# Altium PCB PowerSupply-Motherboard.PcbDoc (part 2 of 2)
Units mm, origin at the board's own origin, x right, y up, seen from the top; angles counter-clockwise.
Board outline 100 x 80 mm, 4 copper layers (L1, L2, L3, L4), stack 1.641 mm thick; 152 components, 85 nets, 459 pads, 202 vias.
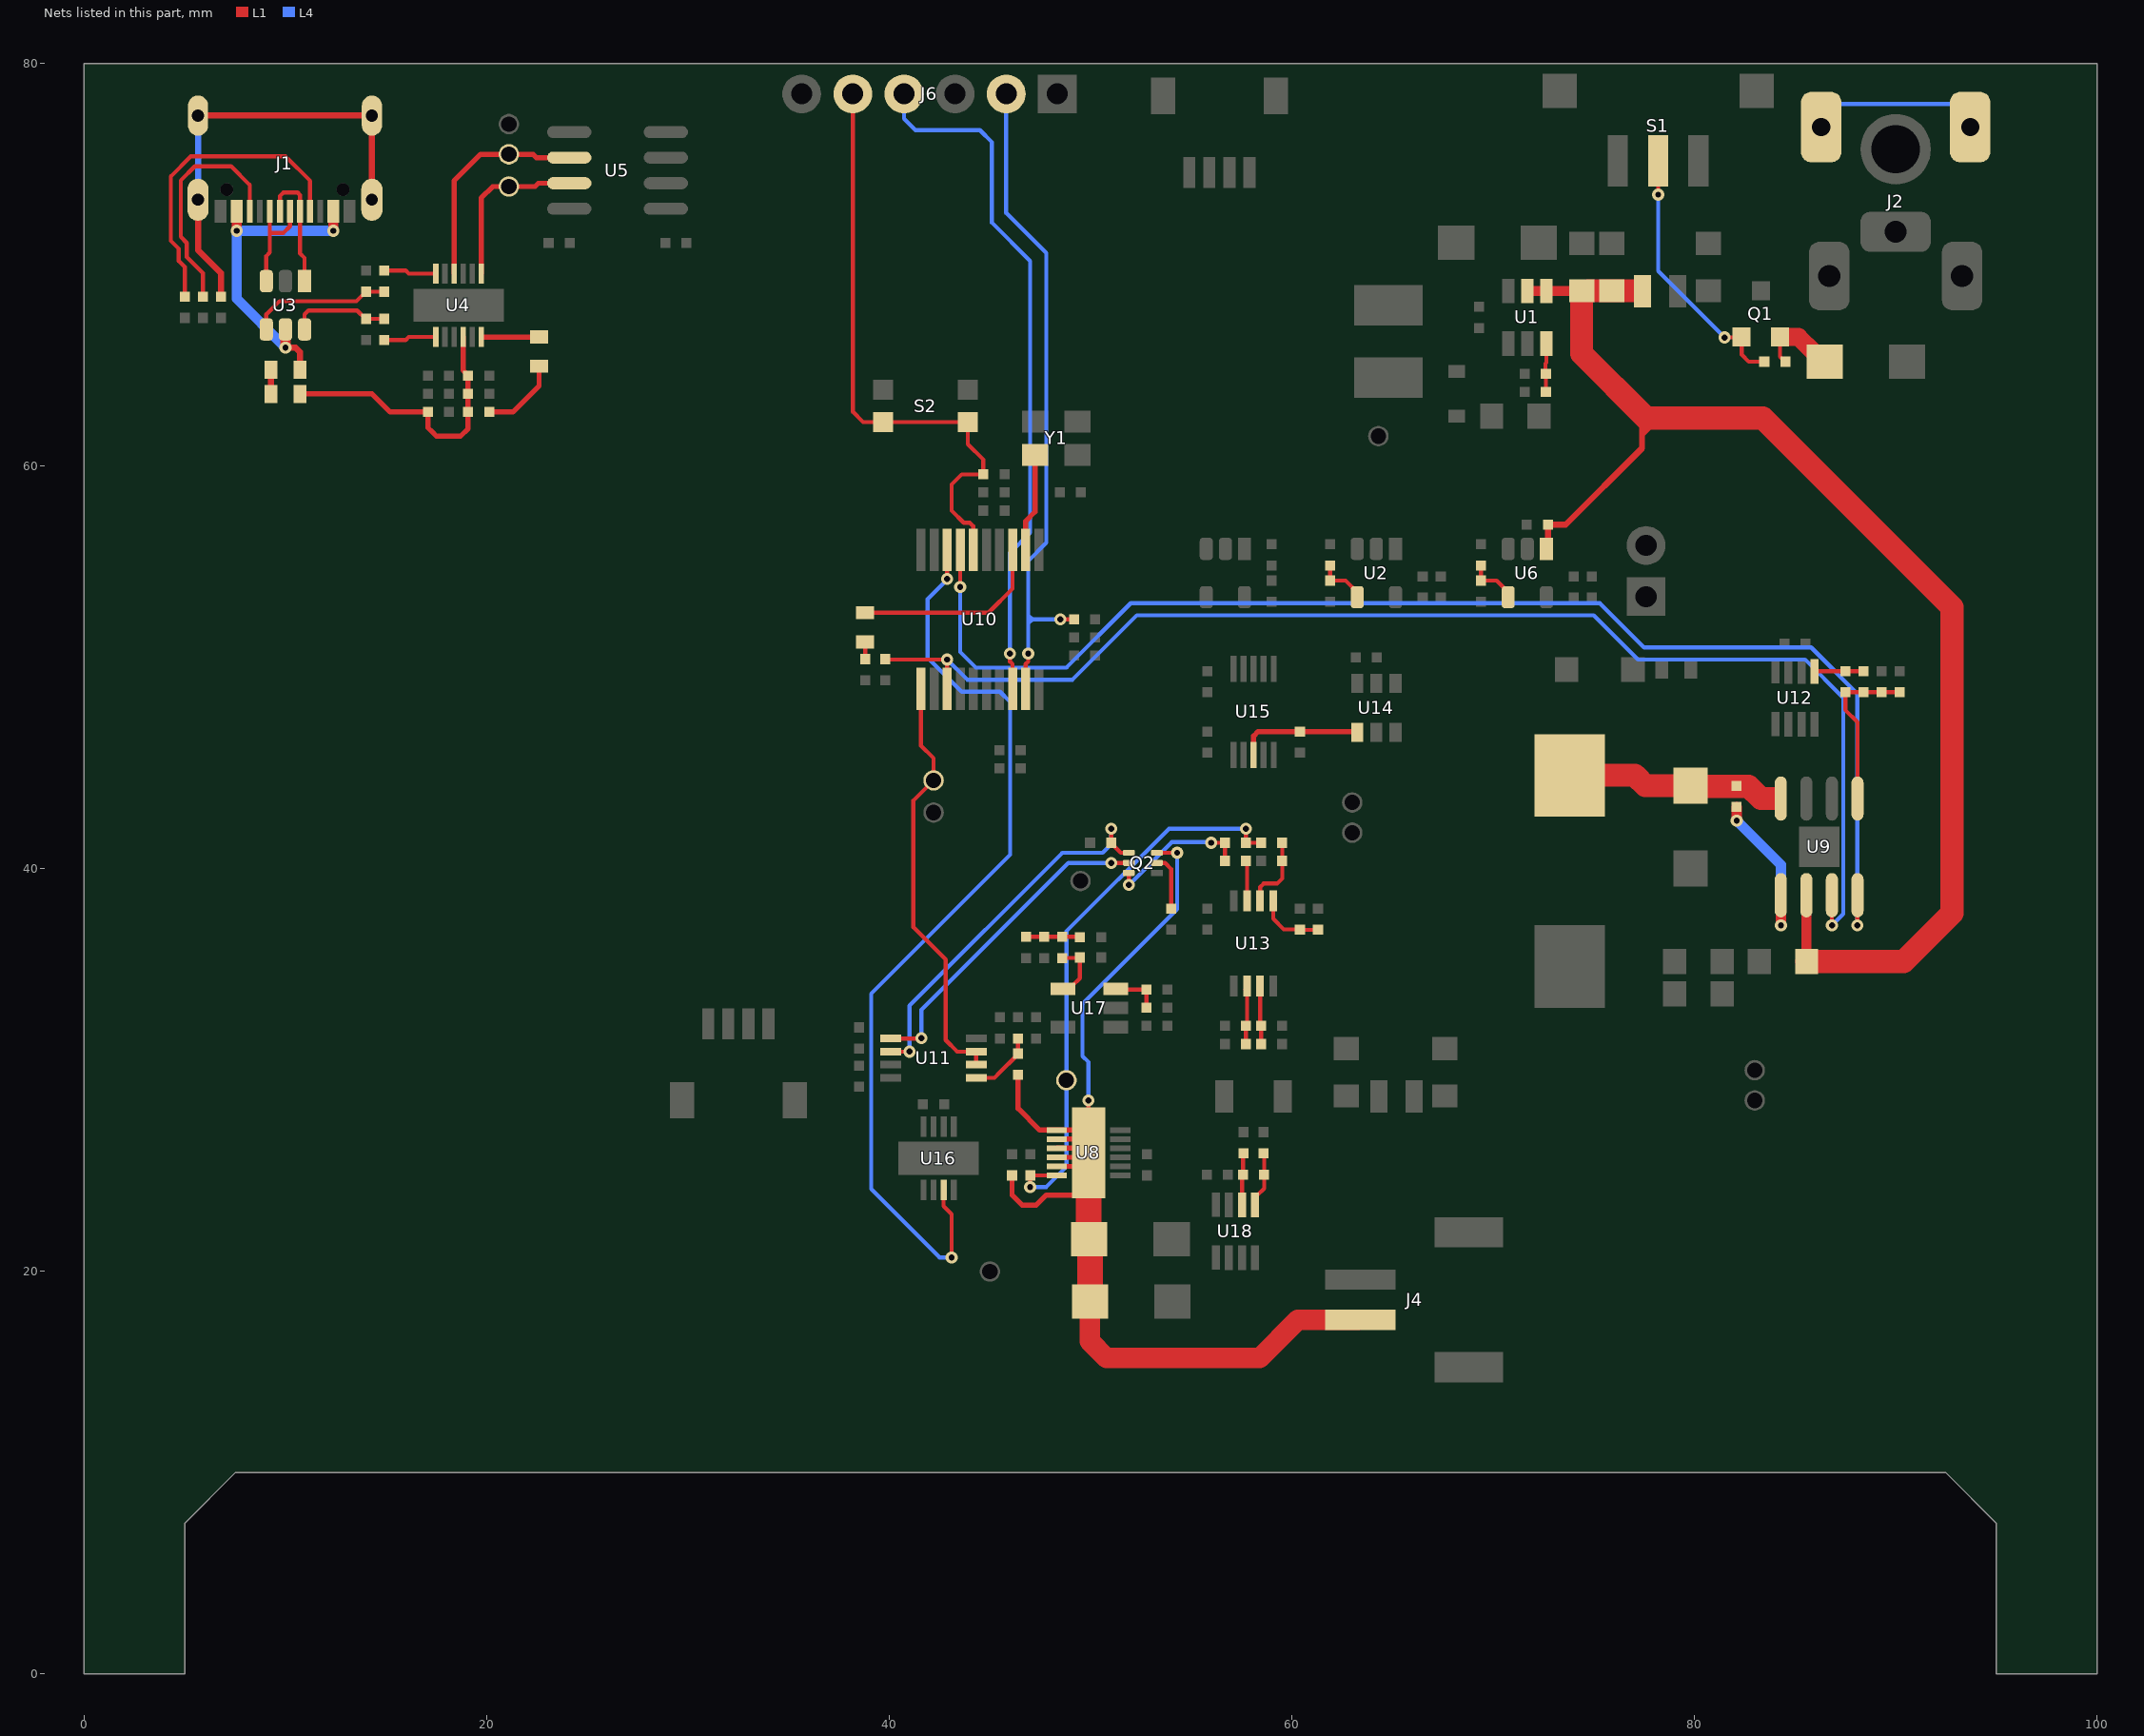
[diagram p4: the nets of this part, all layers, seen from the top]

## Via types
v1: diameter 0.6, hole 0.3, L1 to L4, tented both sides, 202 vias

## Nets (pads, with @x,y where several pads share a name; then routed paths per layer and width w, separated by ;. In a path a pad name is that pad's centre, name@x,y a point inside that pad or via, vN(x,y) a via of type N, cw(c..) or ccw(c..) an arc to the next point about the centre after c; other vN are vias at no path point) (continued)
NetC23_2: C23.2 D6.1 D7.2 J4.1 Q2.3 R19.2 U8.1 U8.2 U8.3 U8.4 U8.5 U8.13 | length 55
  L1 w0.203: U8.13@49.9,27.5 v1(49.9,28.5) ; Q2.3@53.3,40.8 v1(54.3,40.8)
  L1 w0.254: C23.2@46.1,24.775 46.1,23.8 46.6,23.3 47.3,23.3 47.8,23.8 49.2,23.8 U8.13@49.4,24 ; R19.2@46.4,29.775 46.4,28.1 47.475,27.025 U8.1@48.325,27.025 49.675,27.025 U8.13@49.7,27 ; U8.5@48.325,25.225 49.325,25.225 U8.13@49.4,25.3 ; U8.4@48.325,25.675 U8.13@49.475,25.675 ; U8.3@48.325,26.125 U8.13@49.375,26.125 ; U8.2@48.325,26.575 49.375,26.575 U8.13@49.4,26.6
  L1 w1.016: D7.2@49.968,18.5 49.968,16.532 50.8,15.7 58.4,15.7 60.3,17.6 J4.1@63.3,17.6
  L1 w1.27: D6.1@49.9,21.5 U8.13@49.9,25.9 ; D7.2@49.968,18.5 49.968,21.668 D6.1@50,21.7
  L4 w0.203: v1(49.9,28.5) 49.9,30.4 49.6,30.7 49.6,33.3 54.3,38 v1(54.3,40.8)
NetC24_1: C24.1 D8.2 L4.1 U9.8 | length 10.4
  L1 w0.508: L4.1@73.35,44.65 L4.1@73.4,44.6
  L1 w1.143: L4.1@73.8,44.65 77.05,44.65 ; 77.1,44.6 77.568,44.132 D8.2@79.8,44.132 ; D8.2@80,44.1 82.7,44.1 83.304,43.496 83.9,43.496
NetC24_2: C24.2 U9.1 | length 8
  L1 w0.508: v1(82.1,42.4) C24.2@82.1,43.075 ; v1(84.3,37.2) U9.1@84.3,38.4
  L4 w0.508: v1(82.1,42.4) 84.3,40.2 v1(84.3,37.2)
NetC32_2: C32.2 R24.2 R29.2 TP2.1 U8.6 | length 28.3
  L1 w0.203: v1(47,24.2) C32.2@47,24.7 ; C32.2@47,24.8 47.025,24.775 U8.6@48.325,24.775 ; R29.2@57.7,41.3 57.725,41.325 v1(57.725,42) ; v1@57.7,42.1 v1@57.725,42.075 ; R29.2@57.725,41.3 R24.2@58.475,41.3
  L4 w0.203: v1(47,24.2) 47.8,24.2 48.8,25.2 TP2.1@48.8,29.5 48.8,36.9 53.9,42 v1(57.725,42)
NetC34_2: C34.2 R33.2 U13.5 | length 3.3
  L1 w0.203: U13.5@59.075,38.42 59.075,37.525 59.6,37 60.4,37 60.425,36.975 R33.2@61.3,36.975
NetC40_2: C40.2 R40.2 U17.3 | length 2.1
  L1 w0.203: U17.3@51.6,34.1 51.7,34 C40.2@52.775,34 ; R40.2@52.775,33.1 52.775,33.975 C40.2@52.8,34
NetC42_1: C42.1 R47.2 U18.2 | length 2.6
  L1 w0.203: U18.2@57.525,23.31 57.525,24.725 C42.1@57.6,24.8 ; C42.1@57.575,24.8 57.575,25.875 R47.2@57.6,25.9
NetC42_2: C42.2 R46.2 U18.1 | length 2.1
  L1 w0.203: U18.1@58.3,23.8 58.625,24.125 C42.2@58.625,24.8 58.625,25.775 R46.2@58.6,25.8
NetC46_2: C46.2 R48.2 R49.1 R50.2 | length 2.7
  L1 w0.203: R48.2@46.8,36.625 47.625,36.625 R50.2@47.7,36.7 ; R50.2@47.7,36.625 48.575,36.625 R49.1@48.6,36.6 ; R49.1@48.6,36.625 49.375,36.625 C46.2@49.4,36.6
NetC47_2: C47.2 R49.2 U17.4 | length 2.4
  L1 w0.203: R49.2@48.6,35.575 49.375,35.575 C47.2@49.4,35.6 ; U17.4@49.1,34.2 49.475,34.575 C47.2@49.475,35.6
NetD2_1: D2.1 R1.1 | length 4.1
  L1 w0.254: R1.1@20,62.7 R1.1@20.125,62.7 21.3,62.7 22.6,64 D2.1@22.6,64.975
NetD2_2: D2.2 U4.6 | length 2.7
  L1 w0.254: U4.6@19.725,66.425 22.325,66.425 D2.2@22.4,66.5
NetD5_2: D5.2 Q1.3 R15.2 | length 3.3
  L1 w0.203: Q1.3@84.25,66.425 84.25,65.45 R15.2@84.5,65.2
  L1 w0.889: Q1.3@84.25,66.425 85.175,66.425 D5.2@85.9,65.7
NetD9_1: D9.1 R28.1 | length 0.9
  L1 w0.203: R28.1@38.8,50.425 D9.1@38.8,51.275 D9.1@38.8,51.3
NetD9_2: D9.2 U10.3 | length 9.7
  L1 w0.203: D9.2@38.8,52.725 44.925,52.725 46.125,53.925 U10.3@46.125,55.85
NetF1_2: F1.2 FB1.1 | length 1
  L1 w0.305: F1.2@9.275,64.8 9.275,63.825 FB1.1@9.3,63.8
NetJ1_1: J1.1 J1.2 J1.3 J1.4 R12.2 | length 22.9
  L1 w0.305: J1.4@5.655,73.242 5.655,70.745 6.8,69.6 R12.2@6.8,68.425 ; J1.3@5.655,77.422 14.222,77.422 J1.2@14.295,77.495 ; J1.1@14.295,73.242 J1.2@14.295,77.422 J1.2@14.295,77.495 ; J1.2@14.4,77.6 J1.2@14.295,77.495
  L4 w0.305: J1.4@5.655,73.242 5.655,77.355 J1.3@5.7,77.4 ; J1.2@14.178,77.422 J1.2@14.295,77.305 ; J1.2@14.3,77.3 J1.2@14.295,77.305 ; J1.2@14.3,77.5 14.295,77.495 J1.2@14.295,77.422 J1.2@14.295,77.305
NetJ1_A5: J1.A5 R8.2 | length 15.6
  L1 w0.203: R8.2@5,68.425 5,69.9 4.7,70.2 4.7,70.8 4.3,71.2 4.3,74.4 5.3,75.4 10,75.4 11.225,74.175 J1.A5@11.225,72.667
NetJ1_A6: J1.A6 J1.B6 U3.3 | length 5.2
  L1 w0.203: U3.3@9.05,69.2 9.05,70.45 9.2,70.6 ; J1.B6@9.2,72.5 9.225,72.475 9.225,71.6 ; 9.225,70.625 9.225,71.6 ; J1.A6@10.225,72.667 10.225,71.925 9.9,71.6 9.225,71.6
NetJ1_A7: J1.A7 J1.B7 U3.1 | length 6.3
  L1 w0.203: J1.A7@9.725,72.667 9.725,73.425 9.9,73.6 10.6,73.6 10.725,73.475 J1.B7@10.725,72.667 10.725,70.575 10.8,70.5 10.95,70.35 U3.1@10.95,69.2
NetJ1_B5: J1.B5 R7.2 | length 11.6
  L1 w0.203: R7.2@5.9,68.425 5.9,69.6 5.1,70.4 5.1,71.1 4.8,71.4 4.8,74.2 5.5,74.9 7.3,74.9 8.225,73.975 J1.B5@8.225,72.667
NetJ2_4: J2.4 J2.5 | length 7.6
  L4 w0.203: J2.4@86.7,78 93.6,78 J2.5@94.1,77.5
NetQ1_1: Q1.1 R15.1 S1.2 | length 12.8
  L1 w0.203: v1@78.2,73.6 S1.2@78.2,75.175 ; v1(81.5,66.4) Q1.1@82.1,66.4 ; Q1.1@82.35,66.425 82.35,65.55 82.7,65.2 R15.1@83.475,65.2 R15.1@83.5,65.2
  L4 w0.203: v1(78.2,73.5) 78.2,69.7 v1(81.5,66.4)
NetQ2_2: Q2.2 R36.2 | length 2.8
  L1 w0.203: Q2.2@53.3,40.3 53.7,40.3 54,40 R36.2@54,38.025
NetQ2_4: Q2.4 R30.2 U11.2 | length 19.1
  L1 w0.203: U11.2@40.08,30.925 40.975,30.925 v1@41,30.9 ; v1@51,42 51.025,41.975 R30.2@51.025,41.3 R30.2@51.1,41.3 ; R30.2@51.1,41.2 51.5,40.8 Q2.4@51.9,40.8
  L4 w0.203: v1(41,30.925) 41,33.2 48.6,40.8 50.6,40.8 51.025,41.225 v1(51.025,42)
NetQ2_5: Q2.5 U11.1 | length 16.2
  L1 w0.203: U11.1@40.08,31.575 41.575,31.575 v1(41.6,31.6) ; v1@51.1,40.3 Q2.5@51.9,40.3
  L4 w0.203: v1(41.6,31.6) 41.6,33 48.9,40.3 v1(51.025,40.3)
NetQ2_6: Q2.6 R29.1 R32.2 | length 7.3
  L1 w0.203: v1(51.9,39.2) Q2.6@51.9,39.8 ; v1@55.9,41.3 v1(56,41.3) R29.1@56.675,41.3 ; R32.2@56.675,40.4 56.675,41.275 R29.1@56.7,41.3
  L4 w0.203: v1(51.9,39.2) 54.029,41.329 55.971,41.329 v1(56,41.3)
NetR2_1: R2.1 R4.2 U2.4 | length 2.4
  L1 w0.203: R2.1@61.9,54.3 R2.1@61.9,54.325 ; R4.2@61.9,55.075 R2.1@61.9,54.325 ; U2.4@63.3,53.7 62.675,54.325 R2.1@61.9,54.325
NetR3_1: R3.1 R6.2 U1.3 | length 2.4
  L1 w0.203: R3.1@72.6,63.7 72.625,63.725 R6.2@72.625,64.6 ; R6.2@72.6,64.6 72.6,65.1 72.65,65.15 U1.3@72.65,66.09
NetR5_2: R5.2 U4.12 | length 2.6
  L1 w0.203: R5.2@14.9,69.725 15.975,69.725 16.125,69.575 U4.12@17.475,69.575
NetR9_2: R9.2 U4.1 | length 2.6
  L1 w0.203: R9.2@14.9,66.275 15.975,66.275 16.125,66.425 U4.1@17.475,66.425
NetR13_1: R13.1 R14.2 U6.4 | length 2.5
  L1 w0.203: R14.2@69.3,55.1 69.4,55 R13.1@69.4,54.325 70.175,54.325 U6.4@70.8,53.7
NetR19_1: R19.1 R22.2 U11.5 | length 3.2
  L1 w0.203: U11.5@44.32,29.625 45.225,29.625 45.5,29.9 R19.1@46.3,30.7 ; R19.1@46.4,30.825 R22.2@46.4,31.575 R22.2@46.4,31.6
NetR21_1: R21.1 R25.2 R26.2 R27.2 U9.5 | length 8
  L1 w0.203: R27.2@87.5,48.8 R27.2@87.5,48.775 87.5,47.9 88.105,47.295 U9.5@88.105,43.496 ; R27.2@87.6,48.8 87.625,48.775 R26.2@88.4,48.775 ; R26.2@88.4,48.8 88.425,48.775 R25.2@89.3,48.775 ; R25.2@89.425,48.775 R21.1@90.2,48.775
NetR23_2: R23.2 R24.1 U13.6 | length 3.7
  L1 w0.203: U13.6@58.425,38.42 58.425,39.097 58.6,39.271 59.271,39.271 59.525,39.525 R23.2@59.525,40.4 59.525,41.275 R24.1@59.5,41.3
NetR26_1: R26.1 R27.1 U12.1 | length 2.4
  L1 w0.203: U12.1@86,49.8 86.025,49.825 R27.1@87.5,49.825 ; R27.1@87.5,49.8 87.525,49.825 R26.1@88.4,49.825
NetR32_1: R32.1 U13.7 | length 2
  L1 w0.203: U13.7@57.775,38.42 57.775,40.375 R32.1@57.8,40.4
NetR37_2: R37.2 R38.1 U13.2 | length 3
  L1 w0.203: R38.1@57.7,32.2 R38.1@57.725,32.175 ; U13.2@57.7,34 U13.2@57.725,33.975 ; R37.2@57.725,31.3 57.725,32.125 57.8,32.2 57.775,32.225 U13.2@57.775,34.18
NetR41_2: R41.2 R45.2 U13.3 | length 2.9
  L1 w0.203: U13.3@58.425,34.18 58.425,32.225 58.4,32.2 58.475,32.125 R41.2@58.475,31.3
NetU4_7: pad.1@21.1,73.9 U4.7 U5.7 | length 8.4
  L1 w0.254: U4.7@19.725,69.575 19.725,73.325 20.3,73.9 pad.1@21.1,73.9 22.4,73.9 22.565,74.065 U5.7@24.1,74.065
NetU4_10: pad.1@21.1,75.5 U4.10 U5.6 | length 11
  L1 w0.254: U4.10@18.375,69.575 18.375,74.175 19.7,75.5 pad.1@21.1,75.5 22.3,75.5 22.465,75.335 U5.6@24.1,75.335 ; pad.1@21,75.4 21.015,75.385 pad.1@21.1,75.385
NetU10_2: U10.2 Y1.3 | length 4.9
  L1 w0.254: U10.2@46.775,55.85 46.775,57.275 47.246,57.746 Y1.3@47.246,60.574
NRST: C31.2 J6.5 S2.1 U10.6 | length 30.4
  L1 w0.203: J6.5@38.19,78.5 38.19,62.71 38.7,62.2 S2.1@39.7,62.2 S2.1@43.9,62.2 ; S2.1@44,62.2 S2.1@43.9,62.2 ; U10.6@44.175,55.85 44.175,57.025 44,57.2 43.7,57.2 43.1,57.8 43.1,59.1 43.6,59.6 C31.2@44.675,59.6 44.675,60.325 43.9,61.1 S2.1@43.9,62.2
PGOOD: U9.4 U10.7 | length 65.7
  L1 w0.203: v1@43.5,54 43.525,54.025 U10.7@43.525,55.85 ; v1(88.1,37.2) U9.4@88.1,38.2
  L4 w0.203: v1(43.525,54) 43.525,50.775 44.3,50 48.8,50 52,53.2 75.3,53.2 77.5,51 85.8,51 88.1,48.7 v1(88.1,37.2)
PWR_EN: R20.2 U9.3 U10.13 | length 64.9
  L1 w0.203: R20.2@39.9,50.4 v1(42.875,50.4) ; U10.13@42.875,48.95 42.875,50.375 v1@42.9,50.4 ; v1(86.835,37.2) 86.835,38.035 U9.3@86.9,38.1
  L4 w0.203: v1(42.875,50.4) 43.875,49.4 49.1,49.4 52.3,52.6 75,52.6 77.2,50.4 85.5,50.4 87.4,48.5 87.4,37.765 v1(86.835,37.2)
SWCLK: J6.2 R35.1 U10.19 | length 33.6
  L1 w0.203: U10.19@46.775,48.95 46.775,50.175 46.9,50.3 v1(46.9,50.7) ; v1(48.5,52.4) 49,52.4 R35.1@49.1,52.3
  L4 w0.203: J6.2@45.81,78.5 45.81,72.59 47.8,70.6 47.8,56.2 46.9,55.3 46.9,52.6 ; v1(46.9,50.7) 46.9,52.2 ; 46.9,52 46.9,52.2 ; v1(48.5,52.4) 47.1,52.4 ; 46.9,52.2 46.9,52.6 ; 46.9,52.2 47.1,52.4 ; 46.9,52.6 47.1,52.4
SWDIO: J6.4 U10.18 | length 34.5
  L1 w0.203: v1(46,50.7) 46,50.3 46.125,50.175 U10.18@46.125,48.95
  L4 w0.203: J6.4@40.73,78.5 40.73,77.27 41.3,76.7 44.5,76.7 45.1,76.1 45.1,72.1 47,70.2 47,56.7 46,55.7 v1(46,50.7)
TEMP_CRIT: U10.8 U16.3 | length 46.5
  L1 w0.203: U16.3@42.7,23.9 42.7,23.248 43.1,22.848 v1(43.1,20.7) ; v1(42.875,54.4) 42.875,55.475 U10.8@43,55.6
  L4 w0.203: v1@42.85,54.45 v1@42.9,54.5 ; v1@42.9,54.4 41.9,53.4 41.9,50.4 42,50.4 43.6,48.8 45.5,48.8 46.004,48.296 46.004,40.704 39.1,33.8 39.1,24.1 42.5,20.7 v1(43.1,20.7)
USB_N: C12.2 R9.1 U3.6 | length 5
  L1 w0.203: U3.6@10.95,66.8 10.95,67.55 11.143,67.743 13.557,67.743 13.975,67.325 C12.2@14,67.325 14.875,67.325 R9.1@14.9,67.3
USB_P: C11.2 R5.1 U3.4 | length 7.3
  L1 w0.203: U3.4@9.05,66.8 9.05,67.55 9.7,68.2 13.525,68.2 C11.2@14,68.675 14.875,68.675 R5.1@14.9,68.7 ; C11.2@13.9,68.7 C11.2@14.1,68.7
USB_VDD: F1.1 J1.A4_B9 J1.B4_A9 U3.5 | length 16.2
  L1 w0.305: v1(10,65.9) 10.5,65.9 10.725,65.675 F1.1@10.725,64.8 ; v1@10,66 v1@10.025,65.975
  L1 w0.508: v1@7.575,71.725 J1.B4_A9@7.575,72.667 ; v1@10,66 U3.5@10,66.8 U3.5@10,67 ; v1@12.375,71.725 J1.A4_B9@12.375,72.667
  L4 w0.508: v1(7.575,71.7) 7.575,68.325 v1(10,65.9) ; v1@7.6,71.7 v1(12.375,71.7)
V+: C7.2 C16.2 C20.2 C28.2 L2.2 U1.4 U1.5 U6.1 U9.2 | length 68.1
  L1 w0.305: U6.1@72.7,56.1 72.725,56.125 C16.2@72.725,57.1 73.6,57.1 77.4,60.9 77.4,62.4 ; 77.4,61.6 77.9,62.1
  L1 w0.508: U1.5@71.7,68.8 71.79,68.71 U1.4@72.65,68.71 C20.2@74.19,68.71 ; U1.4@72.6,68.8 U1.4@72.625,68.775 ; C7.2@75.5,69 C7.2@75.6,68.9 ; C7.2@76.2,68.9 C7.2@76.3,69 ; U9.2@85.565,38.696 85.565,35.335 C28.2@85.6,35.3
  L1 w0.635: L2.2@77.2,68.7 L2.2@77.4,68.7 ; L2.2@77.375,68.775 L2.2@77.4,68.8
  L1 w1.143: C20.2@74.4,68.7 74.4,65.6 77.6,62.4 ; C20.2@74.725,68.725 C7.2@75.9,68.725 77.175,68.725 L2.2@77.2,68.7 ; 77.9,62.4 83.4,62.4 87.35,58.45 92.8,53 92.8,37.8 ; C28.2@85.575,35.4 90.4,35.4 92.7,37.7
VBUS: C1.2 C2.2 FB1.2 R1.2 R10.1 U4.4 | length 14.5
  L1 w0.254: FB1.2@10.725,63.6 14.3,63.6 15.2,62.7 R10.1@17.075,62.7 17.075,61.925 17.3,61.7 17.5,61.5 18.7,61.5 19.075,61.875 R1.2@19.075,62.7 19.075,63.575 19.1,63.6 19.075,63.625 C2.2@19.075,64.5 ; U4.4@18.825,66.425 18.825,64.775 C2.2@19.1,64.5
VREF: C37.2 U14.1 U15.3 | length 6
  L1 w0.254: U15.3@58.1,45.9 58.1,46.6 58.325,46.825 C37.2@60.4,46.825 U14.1@63.275,46.825 ; U14.1@63.275,46.825 63.3,46.8 U14.1@63.275,46.825
VSENSE: TP7.1 U10.11 U11.6 U11.7 | length 21.1
  L1 w0.203: U10.11@41.575,48.95 41.575,46.125 42.2,45.5 TP7.1@42.2,44.4 41.2,43.4 41.2,37.1 42.8,35.5 42.8,31.5 43.375,30.925 U11.7@44.32,30.925 ; U11.6@44.32,30.275 U11.7@44.32,30.88
pads on no net: J1. J1.A8 J1.B8 J2.0 J4.S1 J4.S2 J6.6 S1.3 S1.4 S1.5 U4.8 U4.11 U7.4 U12.8 U15.5 Y1.1

## Polygon pours and split planes (outlines as drawn)
GND on L2 "GND_PLANE" (solid, remove dead copper, pour order 0): 0,0 100,0 100,80 0,80
EARTH on L2 "USB_GND" (solid, remove dead copper, pour order 8): 0,80 26,80 26,64.5 22.5,61 0,61
GND on L3 "GND_PLANE_2" (solid, remove dead copper, pour order 1): 0,0 100,0 100,80 0,80
+3.3VB on L3 "+3.3VB" (solid, remove dead copper, pour order 10): 0,80 26,80 26,64.5 22.5,61 0,61
GND on L4 "BTM_GND" (solid, remove dead copper, pour order 13): 0,0 100,0 100,80 0,80
EARTH on L4 "USB_GND" (solid, remove dead copper, pour order 4): 0,80 26,80 26,64 23,61 0,61
GND on L1 "TOP_GND" (solid, remove dead copper, pour order 12): 0,0 100,0 100,80 0,80
EARTH on L1 "USB_GND" (solid, remove dead copper, pour order 6): 0,80 26,80 26,64 23,61 0,61

## Keep-outs
L1:
  circle w0.127: c4.946,65.05 r1.092
  circle w0.127: c94.946,65.05 r1.092
  circle w0.127: c94.946,20.05 r1.092
  circle w0.127: c4.946,20.05 r1.092
  region: 3,80 0,80 0,0 3,0
  region: 100,80 97,80 97,0 100,0
L4:
  region: 100,80 97,80 97,0 100,0
  region: 3,80 0,80 0,0 3,0

## Other copper
L1:
  rectangle net CS-: 51,25.6 51.95,26.9
  rectangle net CS-: 51,26.9 51.95,28.1
  pour cut-out: 34,80 34,77.2 50,77.2 50,80
  pour cut-out: 34.1,77.3
  region: 5.156,65.831 5.164,65.812 5.164,65.268 5.708,65.268 5.727,65.26 5.735,65.24 5.735,64.859 5.727,64.84 5.708,64.832 5.164,64.832 5.164,64.288 5.156,64.269 5.136,64.261 4.755,64.261 4.736,64.269 4.728,64.288 4.728,64.832 4.184,64.832 4.164,64.84 4.156,64.859 4.156,65.24 4.164,65.26 4.184,65.268 4.731,65.268 4.728,65.812 4.732,65.822 4.736,65.831 4.745,65.835 4.755,65.839 5.136,65.839
  region: 95.156,65.831 95.164,65.812 95.164,65.268 95.708,65.268 95.727,65.26 95.735,65.24 95.735,64.859 95.727,64.84 95.708,64.832 95.164,64.832 95.164,64.288 95.156,64.269 95.136,64.261 94.755,64.261 94.736,64.269 94.728,64.288 94.728,64.832 94.184,64.832 94.164,64.84 94.156,64.859 94.156,65.24 94.164,65.26 94.184,65.268 94.731,65.268 94.728,65.812 94.732,65.822 94.736,65.831 94.745,65.835 94.755,65.839 95.136,65.839
  region: 95.156,20.831 95.164,20.812 95.164,20.268 95.708,20.268 95.727,20.26 95.735,20.241 95.735,19.86 95.727,19.84 95.708,19.832 95.164,19.832 95.164,19.288 95.156,19.269 95.136,19.261 94.755,19.261 94.736,19.269 94.728,19.288 94.728,19.832 94.184,19.832 94.164,19.84 94.156,19.86 94.156,20.241 94.164,20.26 94.184,20.268 94.731,20.268 94.728,20.812 94.732,20.822 94.736,20.831 94.745,20.835 94.755,20.839 95.136,20.839
  region: 5.156,20.831 5.164,20.812 5.164,20.268 5.708,20.268 5.727,20.26 5.735,20.241 5.735,19.86 5.727,19.84 5.708,19.832 5.164,19.832 5.164,19.288 5.156,19.269 5.136,19.261 4.755,19.261 4.736,19.269 4.728,19.288 4.728,19.832 4.184,19.832 4.164,19.84 4.156,19.86 4.156,20.241 4.164,20.26 4.184,20.268 4.731,20.268 4.728,20.812 4.732,20.822 4.736,20.831 4.745,20.835 4.755,20.839 5.136,20.839
  pour cut-out: 0,60 0,61 22.5,61 26,64.5 26,80 27,80 27,64 23,60
L2:
  pour cut-out: 0,60 0,61 22.5,61 26,64.5 26,80 27,80 27,64 23,60
L3:
  pour cut-out: 0,60 0,61 22.5,61 26,64.5 26,80 27,80 27,64 23,60
L4:
  pour cut-out: 34,80 34,77.2 50,77.2 50,80
  pour cut-out: 0,60 0,61 22.5,61 26,64.5 26,80 27,80 27,64 23,60

## Silkscreen, mask and mechanical layers (free items; w line width, h text height)
Top Overlay:
  drawing of 260 lines, arcs and shapes, not listed
  text "GND" at 18.2,76.6 h0.76
  text "ST-Link" at 49.3,76.6 h2.29 r180
  text "TxD" at 18.2,75.1 h0.76
  text "ON" at 72.5,74 h1.02
  text "OFF" at 81.5,74 h1.02
  text "RxD" at 18.2,73.5 h0.76
  text "USART" at 18.1,71.7 h0.76
  text "I2C1" at 53.75,71 h1.52
  text "RESET" at 44.7,66.4 h1.27 r180
  text "GND" at 60.3,60.8 h1.02
  text "HVC" at 82.5,51.5 h2.29 r90
  text ".DocNumber" at 5,51 h3.05
  text "Rev" at 24.771,50.875 h1.52
  text ".Rev" at 31.06,50.875 h1.52
  text ".Title1" at 5,48 h1.83
  text "Designed by Kyler Kidd" at 5,45 h2.03
  text "VSNS" at 37.2,43.7 h1.02
  text "VDAC" at 63.9,42.6 h1.02
  text "ISNS" at 37.2,42 h1.02
  text "CAUTION" at 13.2,41.5 h1.52
  text "GND" at 63.9,41.1 h1.02
  text "Handle assembly in / accordance with ESD / safe practices" at 13.2,38.246 h1.14
  text "GND" at 50.4,38 h0.76
  text "PREREG" at 83.9,29.3 h1.02
  text "VSET" at 49.6,28.8 h1.02
  text "GND" at 83.9,27.8 h1.02
  text "I2C2" at 29.4,24.9 h1.52
  text "GND" at 40.8,19.3 h1.02
  text "VOUT" at 64.3,11.875 h1.52
Top Solder:
  drawing of 24 lines, arcs and shapes, not listed
Mechanical 1:
  the board outline again, w0.254
ASSY_TOP:
  drawing of 322 lines, arcs and shapes, not listed
  text "SH" at 412.003,318.663 h2.54
  text "DWG NO" at 336.851,318.248 h2.54
  text ".DocNumber" at 353.502,315.408 h3.05
  text "2" at -185.493,314.92 h5.08
  text "4" at 30.58,314.92 h5.08
  text "8" at 454.938,314.92 h5.08
  text "1" at -293.221,314.76 h5.08
  text "3" at -77.499,314.76 h5.08
  text "5" at 138.579,314.76 h5.08
  text "6" at 246.526,314.76 h5.08
  text "1" at 417.002,314.392 h3.05
  text "REVISION HISTORY" at 363.154,308.013 h2.54
  text "REV" at 338.77,301.946 h2.54
  text "DESCRIPTION" at 384.49,301.946 h2.54
  text "DATE" at 442.91,301.946 h2.54
  text "APPROVED" at 473.39,301.946 h2.54
  text ".Hist1Rev" at 339.675,297.345 h2.54
  text ".Hist1Desc" at 351.47,296.866 h2.54
  text ".Hist1Date" at 435.29,296.866 h2.54
  text ".Hist1Appr" at 465.77,296.866 h2.54
  text "NOTES" at -306.39,295.59 h10.16
  text ".Hist2Rev" at 339.675,291.732 h2.54
  text ".Hist2Desc" at 351.47,291.252 h2.54
  text ".Hist2Date" at 435.29,291.252 h2.54
  text ".Hist2Appr" at 465.77,291.252 h2.54
  text "1. DIMENSIONING AND TOLERANCING PER ASME Y14.5M-1994" at -306.39,287.97 h5.08
  text ".Hist3Rev" at 339.675,286.144 h2.54
  text ".Hist3Desc" at 351.47,285.664 h2.54
  text ".Hist3Date" at 435.29,285.664 h2.54
  text ".Hist3Appr" at 465.77,285.664 h2.54
  text "2. INTERPRET PER ASME Y14.100M" at -306.39,280.35 h5.08
  text "3. ASSEMBLE PER IPC-A-610, CLASS 2" at -306.39,272.73 h5.08
  text "4. SOLDER PER J-STD-001, CLASS 2. USE LEAD-FREE SOLDER" at -306.39,265.11 h5.08
  text "5. ALL PARTS SHOWN MAY NOT BE INSTALLED. FOR SCHEMATIC, SEE SEPARATE PARTS LIST" at -306.39,257.49 h5.08
  text "A" at -335.29,251.255 h5.08
  text "A" at 502.997,251.255 h5.08
  text "6. DATA INCLUDED IN PARENTHESIS IS FOR REFERENCE ONLY" at -306.39,249.87 h5.08
  text "7. FOR COMPONENTS WITH REFERENCE DESIGNATORS, REFER TO PARTS LIST BY REFERENCE DESIGNATION" at -306.39,242.25 h5.08
  text "8. ELECTROSTATIC DISCHARGE CONTROL PROGRAM FOR PROTECTION OF ELECTRICAL AND ELECTRONIC" at -306.39,234.63 h5.08
  text "PARTS, ASSEMBLIES, AND EQUIPMENT SHALL BE PER IPC-610 OR BETTER" at -306.39,227.01 h5.08
  text "9. THE PCB MATERIAL MANUFACTURER'S RECOMMENDATIONS FOR PCB MATERIAL STORAGE, PRE-PROCESS" at -306.39,219.39 h5.08
  text "BAKEOUT, PROCESSING AND MATERIAL HANDLING SHALL BE STRICTLY FOLLOWED DURING ALL ASSEMBLY" at -301.31,211.77 h5.08
  text "PROCESSES. DEVIATION FROM THESE STANDARDS REQUIRES WRITTEN AUTHORIZATION FROM OCEAN OPTICS, INC" at -301.31,204.15 h5.08
  text "10. MARK LAST 3 DIGITS OF DRAWING NUMBER (-XXX) IN A CLEAR AND LEGIBLE MANNER USING POLYIMIDE BRADY LABEL" at -308.93,196.53 h5.08
  text "11. MARK DOCUMENT REVISION IN A CLEAR AND LEGIBLE MANNER USING POLYIMIDE BRADY LABEL" at -308.93,188.91 h5.08
  text "12. ALL PROCESSES AND PROCEDURES SHALL BE ROHS COMPLIANT" at -308.93,181.29 h5.08
  text "13. COMPLETED CIRCUIT CARD ASSEMBLIES SHALL BE PACKAGED INDIVIDUALLY" at -308.93,173.67 h5.08
  text "IN STATIC SHIELDING PACKAGING IN ACCORDANCE WITH ANSI/ESD-S-20.20" at -301.31,166.05 h5.08
  text "B" at -335.34,111.395 h5.08
  text "B" at 502.947,111.395 h5.08
  text "C" at -334.755,-28.078 h5.08
  text "C" at 503.531,-28.078 h5.08
  text "Dimensions in mm" at 415.8,-70.2 h6.35
  text "Scale  5:2" at 284,-77 h12.7
  text "SEE SEPARATE PARTS LIST." at 234.376,-146.872 h10.16
  text "DFTG" at 275.27,-155.791 h2.54
  text ".NameDftg" at 288.478,-155.791 h2.54
  text ".DateDftg" at 328.102,-155.791 h2.54
  text "UNLESS OTHERWISE SPECIFIED," at 220.406,-160.109 h2.03
  text "MATERIAL:" at 157.236,-160.334 h2.54
  text "ENG" at 275.27,-162.395 h2.54
  text ".NameEng" at 288.478,-162.395 h2.54
  text ".DateEng" at 328.102,-162.395 h2.54
  text "INCHES" at 256.474,-163.636 h2.03
  text "DIMENSIONS ARE IN" at 220.406,-163.665 h2.03
  text "D" at -335.008,-167.777 h5.08
  text "D" at 503.279,-167.777 h5.08
  text "MECH" at 275.27,-167.983 h2.54
  text "*" at 288.478,-168.491 h2.54
  text "*" at 328.102,-168.491 h2.54
  text "TITLE:" at 367.08,-170.523 h2.54
  text "TOLERANCES:" at 220.406,-171.539 h2.54
  text "SEE NOTES" at 159.065,-173.542 h2.54
  text "MFG" at 275.27,-174.587 h2.54
  text "*" at 288.478,-174.587 h2.54
  text "*" at 328.102,-175.095 h2.54
  text ".X +/- 0.1" at 221.422,-176.111 h2.54
  text ".XX +/- 0.01" at 221.422,-179.159 h2.54
  text ".TitleCCA" at 373.695,-179.511 h5.59
  text ".XXX +/- 0.001" at 221.422,-182.207 h2.54
  text ".Title0" at 413.7,-189.55 h5.59
  text "THIRD ANGLE PROJECTION" at 158.684,-193.761 h2.54
  text "ALL SHEETS ARE THE" at 224.978,-197.859 h2.54
  text ".Title1" at 387.03,-198.44 h5.59
  text "SAME REVISION STATUS" at 222.629,-202.431 h2.54
  text "SIZE" at 367.218,-205.575 h2.54
  text "DRAWING NUMBER" at 376.87,-205.575 h2.54
  text "REV" at 483.942,-207.125 h3.05
  text "D" at 367.26,-213.416 h5.08
  text ".DocNumber" at 376.87,-213.674 h6.6
  text ".Rev" at 483.55,-213.674 h5.08
  text "1" at 468.31,-218.754 h2.54
  text "2" at 483.55,-218.754 h2.54
  text "1:1" at 380.68,-219.008 h2.54
  text "SCALE" at 366.654,-219.183 h2.54
  text "SHEET   OF" at 452.561,-219.398 h2.54
  text "8" at 460.436,-229.93 h5.08
  text "1" at -293.055,-230.184 h5.08
  text "2" at -185.493,-231.178 h5.08
  text "4" at 30.58,-231.178 h5.08
  text "3" at -77.499,-231.338 h5.08
  text "5" at 138.579,-231.338 h5.08
  text "6" at 246.526,-231.338 h5.08
  text "7" at 354.5,-231.338 h5.08
Drill Drawing:
  lines w0.381: -266.218,-161.604 -266.218,-153.984 ; -248.493,-161.604 -248.493,-153.984 ; -214.315,-161.604 -214.315,-153.984 ; -201.466,-161.604 -201.466,-153.984 ; -280.21,-161.604 -181.684,-161.604 -181.684,-153.984 -280.21,-153.984 -280.21,-161.604 ; -280.21,-157.794 -181.684,-157.794 -280.21,-157.794
  text "Symbol" at -277.924,-156.651 h1.83
  text "Hit Count" at -265.075,-156.651 h1.83
  text "Finished Hole Size" at -247.35,-156.651 h1.83
  text "Plated" at -213.172,-156.651 h1.83
  text "Hole Type" at -200.323,-156.651 h1.83
ASSY_BOT:
  lines w0.198: -316.412,301.438 -156.697,301.438 ; -316.412,306.518 -156.697,306.518 ; -283.316,301.565 -283.311,312.103 ; -250.677,301.057 -250.677,312.106 ; -169.397,295.723 -169.397,312.106 ; -341.95,-233.797 -341.95,324.806 ; -341.95,-233.797 521.483,-233.797 ; -341.95,-233.797 521.483,-233.797 ; -341.95,-233.797 -341.95,324.806 ; -341.95,324.806 521.483,324.806 ; -341.95,324.806 521.483,324.806 ; 521.483,-233.797 521.483,324.806 ; 521.483,-233.797 521.483,324.806
  lines w0.599: -335.782,-87.947 -316.732,-87.947 ; -335.782,185.102 -316.732,185.102 ; -316.732,312.101 -316.732,-221.297 ; -316.732,-202.247 -186.684,-202.247 ; -301.721,-214.947 -301.721,-202.247 ; -272.282,-221.297 -272.282,-214.947 ; -234.182,-230.822 -234.182,-221.297 ; -186.685,-221.167 -186.685,-202.628 ; -156.819,295.088 -156.819,312.103 ; -126.233,-230.822 -126.233,-221.297 ; -126.233,312.101 -126.233,321.626 ; -18.283,-230.822 -18.283,-221.297 ; -18.283,312.101 -18.283,321.626 ; 197.617,-230.822 197.617,-221.297 ; 197.617,312.101 197.617,321.626 ; 305.567,-230.822 305.567,-221.297 ; 413.516,-230.822 413.516,-221.297 ; 413.516,312.101 413.516,321.626 ; 496.066,185.102 515.116,185.102 ; 496.066,312.103 -316.745,312.103 ; 496.701,-87.947 515.751,-87.947 ; -316.745,312.103 -316.745,291.626 -316.745,312.103 ; -316.732,-221.297 496.066,-221.297 ; -316.732,-221.297 496.066,-221.297 ; -316.732,-221.297 496.066,-221.297 ; -316.732,-221.297 496.066,-221.297 ; -316.732,-214.947 -186.684,-214.947 ; -316.732,-214.947 -186.684,-214.947 ; -316.732,-214.947 -186.684,-214.947 ; -316.732,-214.947 -186.684,-214.947 ; -244.342,312.101 -244.342,321.753 ; -244.342,312.101 -244.342,321.753 ; -244.342,312.101 -244.342,321.753 ; -244.342,312.101 -244.342,321.753 ; -244.342,312.101 -244.342,321.753 ; -244.342,312.101 -244.342,321.753 ; -244.342,312.101 -244.342,321.753 ; -244.342,312.101 -244.342,321.753 ; -244.342,321.753 -156.799,321.753 ; -244.342,321.753 -161.792,321.753 -244.342,321.753 ; -244.342,321.753 -156.799,321.753 ; -231.642,312.101 -231.642,321.753 ; -231.642,312.101 -231.642,321.753 ; -231.642,312.101 -231.642,321.753 ; -231.642,312.101 -231.642,321.753 ; -156.799,321.753 -156.799,312.101 -156.799,321.753 ; 305.567,312.101 305.567,321.626 ; 305.567,312.101 305.567,321.626 ; 305.567,312.101 305.567,321.626 ; 305.567,312.101 305.567,321.626 ; 496.066,-221.297 496.066,304.278 496.066,-221.297 ; 496.066,-221.297 496.066,312.101 ; 496.066,-221.297 496.066,312.101 ; 496.066,-221.297 496.066,312.101 ; -326.892,44.64 -326.892,46.164 -321.812,46.164 -321.812,47.942 -316.732,45.402 -321.812,42.862 -321.812,44.64 -326.892,44.64 ; 87.127,-226.377 89.667,-221.297 92.207,-226.377 90.429,-226.377 90.429,-231.457 88.905,-231.457 88.905,-226.377 87.127,-226.377 ; 87.127,317.181 89.667,312.101 92.207,317.181 90.429,317.181 90.429,322.26 88.905,322.26 88.905,317.181 87.127,317.181 ; 496.066,45.402 501.146,42.862 501.146,44.64 506.226,44.64 506.226,46.164 501.146,46.164 501.146,47.942 496.066,45.402
  text "SH" at -232.47,318.663 h2.54
  text "DWG NO" at -157.318,318.248 h2.54
  text ".DocNumber" at -173.969,315.408 h3.05
  text "8" at -275.405,314.92 h5.08
  text "4" at 148.953,314.92 h5.08
  text "2" at 365.026,314.92 h5.08
  text "6" at -66.993,314.76 h5.08
  text "5" at 40.954,314.76 h5.08
  text "3" at 257.032,314.76 h5.08
  text "3" at 257.032,314.76 h5.08
  text "1" at 472.754,314.76 h5.08
  text "1" at -237.469,314.392 h3.05
  text "REVISION HISTORY" at -183.621,308.013 h2.54
  text "APPROVED" at -293.857,301.946 h2.54
  text "DATE" at -263.377,301.946 h2.54
  text "DESCRIPTION" at -204.957,301.946 h2.54
  text "REV" at -159.237,301.946 h2.54
  text "SEE SHEET 1" at -171.937,296.866 h2.54
  text "A" at -323.464,251.255 h5.08
  text "A" at 514.823,251.255 h5.08
  text "B" at -323.414,111.395 h5.08
  text "B" at 514.873,111.395 h5.08
  text "C" at -323.998,-28.078 h5.08
  text "C" at 514.288,-28.078 h5.08
  text "Scale  5:2" at 332,-77 h12.7
  text "D" at -323.746,-167.777 h5.08
  text "D" at 514.541,-167.777 h5.08
  text "REV" at -304.409,-207.125 h3.05
  text ".DocNumber" at -192.892,-212.404 h5.08
  text ".Rev" at -304.017,-213.674 h5.08
  text "2" at -304.017,-218.754 h2.54
  text "SHEET 2 OF" at -273.028,-219.398 h2.54
  text "8" at -280.903,-229.93 h5.08
  text "1" at 472.755,-230.184 h5.08
  text "4" at 148.953,-231.178 h5.08
  text "2" at 365.026,-231.178 h5.08
  text "7" at -174.967,-231.338 h5.08
  text "6" at -66.993,-231.338 h5.08
  text "5" at 40.954,-231.338 h5.08
  text "3" at 257.032,-231.338 h5.08
PCB_SHEET1:
  drawing of 1100 lines, arcs and shapes, not listed
  text "SH" at 412.003,318.657 h2.54
  text "DWG NO" at 336.851,318.243 h2.54
  text "DWG NO" at 336.851,318.248 h2.54
  text ".DocNumberPCB" at 353.502,315.402 h3.05
  text "2" at -185.493,314.914 h5.08
  text "4" at 30.58,314.914 h5.08
  text "8" at 454.938,314.914 h5.08
  text "1" at -293.221,314.754 h5.08
  text "3" at -77.499,314.754 h5.08
  text "5" at 138.579,314.754 h5.08
  text "6" at 246.526,314.754 h5.08
  text "1" at 417.002,314.386 h3.05
  text "REVISION HISTORY" at 363.154,308.008 h2.54
  text "REV" at 338.77,301.94 h2.54
  text "DESCRIPTION" at 384.49,301.94 h2.54
  text "DATE" at 442.91,301.94 h2.54
  text "APPROVED" at 473.39,301.94 h2.54
  text "11" at 41.59,298.13 h5.08
  text "5" at 51.242,298.13 h5.08
  text ".Hist1Rev" at 339.675,297.34 h2.54
  text "LAYER STACKUP:" at 61.402,296.86 h10.16
  text ".Hist1Desc" at 351.47,296.86 h2.54
  text ".Hist1Date" at 435.29,296.86 h2.54
  text ".Hist1Appr" at 465.77,296.86 h2.54
  text "NOTES" at -306.39,295.59 h10.16
  text ".Hist2Rev" at 339.675,291.777 h2.54
  text ".Hist2Desc" at 351.47,291.297 h2.54
  text ".Hist2Date" at 435.29,291.297 h2.54
  text ".Hist2Appr" at 465.77,291.297 h2.54
  text "1. UNLESS OTHERWISE SPECIFIED, DIMENSIONS, TOLERANCES, AND SURFACE TEXTURE APPLY" at -306.39,287.97 h5.08
  text ".Hist3Rev" at 339.675,286.164 h2.54
  text ".Hist3Desc" at 351.47,285.684 h2.54
  text ".Hist3Date" at 435.29,285.684 h2.54
  text ".Hist3Appr" at 465.77,285.684 h2.54
  text "AFTER PLATING OR CHEMICAL FILM TREATMENTS, AND PRIOR TO ORGANIC COATINGS." at -301.31,280.35 h5.08
  text "2. DIMENSIONING AND TOLERANCING PER ASME Y14.5M-1994" at -306.39,272.73 h5.08
  text "Layer" at 40.858,270.317 h0.76
  text "Name" at 46.217,270.317 h0.76
  text "Material" at 58.177,270.317 h0.76
  text "Thickness" at 69.248,270.317 h0.76
  text "Constant" at 77.654,270.317 h0.76
  text "Board Layer Stack" at 85.043,270.317 h0.76
  text "Board Layer Stack" at 99.416,270.317 h0.76
  text "Board Layer Stack" at 113.788,270.317 h0.76
  text "1" at 40.858,268.793 h0.76
  text "Top Overlay" at 46.217,268.793 h0.76
  text "2" at 40.858,267.269 h0.76
  text "Top Solder" at 46.217,267.269 h0.76
  text "Solder Resist" at 58.177,267.269 h0.76
  text "0.10mil" at 69.248,267.269 h0.76
  text "0" at 77.654,267.269 h0.76
  text "3" at 40.858,265.745 h0.76
  text "L1" at 46.217,265.745 h0.76
  text "Copper" at 58.177,265.745 h0.76
  text "1.40mil" at 69.248,265.745 h0.76
  text "3. PARTS SHALL BE FREE OF BURRS AND SHARP EDGES. BREAK SHARP EDGES .005\" MAX" at -306.39,265.11 h5.08
  text "4" at 40.858,264.221 h0.76
  text "Prepeg" at 46.217,264.221 h0.76
  text "FR408" at 58.177,264.221 h0.76
  text "6.70mil" at 69.248,264.221 h0.76
  text "3.66" at 77.654,264.221 h0.76
  text "5" at 40.858,262.697 h0.76
  text "L2" at 46.217,262.697 h0.76
  text "Copper" at 58.177,262.697 h0.76
  text "0.70mil" at 69.248,262.697 h0.76
  text "6" at 40.858,261.173 h0.76
  text "Core" at 46.217,261.173 h0.76
  text "FR-4" at 58.177,261.173 h0.76
  text "47.00mil" at 69.248,261.173 h0.76
  text "3.66" at 77.654,261.173 h0.76
  text "7" at 40.858,259.649 h0.76
  text "L3" at 46.217,259.649 h0.76
  text "Copper" at 58.177,259.649 h0.76
  text "0.70mil" at 69.248,259.649 h0.76
  text "8" at 40.858,258.125 h0.76
  text "Prepeg" at 46.217,258.125 h0.76
  text "FR408" at 58.177,258.125 h0.76
  text "6.70mil" at 69.248,258.125 h0.76
  text "3.66" at 77.654,258.125 h0.76
  text "4. UNLESS OTHERWISE SPECIFIED, BOARD SHALL MEET THE REQUIREMENTS OF IPC-6011" at -306.39,257.49 h5.08
  text "9" at 40.858,256.601 h0.76
  text "L4" at 46.217,256.601 h0.76
  text "Copper" at 58.177,256.601 h0.76
  text "1.40mil" at 69.248,256.601 h0.76
  text "10" at 40.858,255.077 h0.76
  text "Bottom Solder" at 46.217,255.077 h0.76
  text "Solder Resist" at 58.177,255.077 h0.76
  text "0.10mil" at 69.248,255.077 h0.76
  text "0" at 77.654,255.077 h0.76
  text "11" at 40.858,253.553 h0.76
  text "Bottom Overlay" at 46.217,253.553 h0.76
  text "A" at -335.29,251.249 h5.08
  text "A" at 502.997,251.249 h5.08
  text "CLASS 2, AND IPC-6012, TYPE 2." at -301.31,249.87 h5.08
  text "OVERALL HEIGHT = 0.xxx +/- 10%" at 39.589,244.074 h5.08
  text "5. MATERIAL: POLYCLAD 370HR OR EQUIVALENT IAW IPC-4101. THIS BOARD IS INTENDED FOR LEAD-FREE" at -306.39,242.25 h5.08
  text "TOP AND BOTTOM LAYER COPPER THICKNESS SPECIFIED AFTER PLATING" at 39.589,237.083 h5.08
  text "ASSEMBLY (RoHS COMPLIANT). FLAMMABILITY RATING OF 94V-0 OR BETTER REQUIRED. BOARD MUST BE UL" at -301.31,234.63 h5.08
  text "RECOGNIZED AND VENDOR SHALL AFFIX UL LISTING DESIGNATION ON PRINTED CIRCUIT BOARD." at -301.31,227.01 h5.08
  text "A. BASE LAMINATE: WOVEN GLASS BASED EPOXY RESIN." at -301.31,219.39 h5.08
  text "SEE STACK DETAIL FOR COPPER WEIGHT, SUBSTRATES, AND FINISHED BOARD THICKNESS" at -294.96,211.77 h5.08
  text "B. BONDING AGENT: PREIMPREGNATED B-STAGE EPOXY CLOTH (GF)" at -301.31,204.15 h5.08
  text "C. FINISH TO BE DONE USING IMMERSION GOLD (ENIG) 3-6 MICROINCHES OVER NICKEL 100 MICROINCHES MIN." at -301.31,196.53 h5.08
  text "FULL BODY IMMERSION GOLD ACCEPTED." at -294.96,188.91 h5.08
  text "D. SILKSCREEN TO BE DONE USING NON-CONDUCTIVE WHITE EPOXY INK. VENDOR MAY VIA CAP OR PLUG VIAS" at -301.31,181.29 h5.08
  text "BEFORE FINAL SOLDERMASK TO AVOID TRIMMING OF SILKSCREEN. SILKSCREEN INK NOT ALLOWED ON ANY" at -294.96,173.67 h5.08
  text "EXPOSED ETCH. VENDOR TO DETERMINE BEST PROCESS TO ENSURE THIS." at -294.96,166.05 h5.08
  text "E. SOLDERMASK OVER BARE COPPER FOLLOWED BY PLATING PER LAYER STACKUP." at -301.31,158.43 h5.08
  text "SOLDERMASK IS TO BE FREE OF SHADED AREAS, AND IS TO BE BLACK, TYPE B1, CLASS 2, IAW IPC-SM-840." at -294.96,150.81 h5.08
  text "6. FINAL TRACES WIDTHS AND LAND SIZES REPRESENTED BY ARTWORK. THE FINAL" at -306.39,143.19 h5.08
  text "CONDUCTOR WIDTH SHALL BE +/- 0.001\" OF THE ORIGINAL ARTWORK TRACE. THE PCB" at -301.31,135.57 h5.08
  text "MANUFACTURER IS DIRECTED TO INFLATE FEATURES IN THE SUPPLIED GERBER FILES, AS" at -301.31,127.95 h5.08
  text "NECESSARY, TO COMPENSATE FOR THE ETCHBACK IN THE PCB MANUFACTURER'S PROCESS." at -301.31,120.33 h5.08
  text "7. MANUFACTURER TO INSERT COMPANY LOGO AND DATE CODE IN BOTTOM SILKSCREEN," at -307.025,112.71 h5.08
  text "B" at -335.34,111.39 h5.08
  text "B" at 502.947,111.39 h5.08
  text "USING PREFERRED METHOD (NON-CONDUCTIVE)." at -301.31,105.09 h5.08
  text "8. UNLESS OTHERWISE SPECIFIED:" at -307.025,97.47 h5.08
  text "A. ALL HOLES TO BE CONCENTRIC WITH PAD CENTER WITHIN +/- 0.005\"." at -301.31,89.85 h5.08
  text "B. ALL HOLE DIAMETERS TO BE WITHIN +/- 0.003\" OF SPECIFIED DIAMETER." at -301.31,82.23 h5.08
  text "C. PLATED THROUGH HOLE DIAMETERS SPECIFIED AFTER PLATING." at -301.31,74.61 h5.08
  text "9. FABRICATE AND TEST BOARD, TYPE 2, CLASS 1, LEVEL A, PER IPC-D-275. VENDOR MUST USE IPC D 356 NETLIST" at -306.39,66.99 h5.08
  text "PROVIDED PRIOR TO BOARD FABRICATION AND REPORT ANY DISCREPANCIES WHEN COMPARED WITH THE GERBERS." at -301.31,59.37 h5.08
  text "10. INFORMATION IN PARENTHESIS IS FOR REFERENCE ONLY." at -306.39,51.75 h5.08
  text "11. MAINTAIN CONTROLLED IMPEDANCES:" at -306.687,43.406 h5.08
  text "A. HS-USB - Bottom Layer differential pair; 90 ohms differential impedance; Length differences < 25 mils" at -301.772,36.476 h5.08
  text "Trace Width = 15.0mils; Inside Gap = 6.3mils. (Microstrip Differential Pair)" at -295.601,29.175 h5.08
  text "12. VENDOR IS ALLOWED TO DO THE FOLLOWING:" at -307.368,21.034 h5.08
  text "A. FOLLOW BOARD OUTLINE FOR SIZE OF BOARD." at -301.772,13.503 h5.08
  text "B. REMOVE INTERNAL NON FUNCTIONAL PADS." at -301.772,5.972 h5.08
  text "C. ADD TEAR DROPPING" at -301.772,-1.559 h5.08
  text "D. REMOVE SOLDERMASK SLIVERS LESS THAN 0.003 TO ENHANCE PRODUCABILITY." at -301.772,-9.09 h5.08
  text "C" at -334.755,-28.084 h5.08
  text "C" at 503.531,-28.084 h5.08
  text "Scale  5:2" at 284,-77 h12.7
  text "DFTG" at 275.27,-155.796 h2.54
  text ".NameDftg" at 288.478,-155.796 h2.54
  text ".DateDftg" at 328.102,-155.796 h2.54
  text "UNLESS OTHERWISE SPECIFIED," at 220.406,-160.114 h2.03
  text "MATERIAL:" at 157.236,-160.34 h2.54
  text "ENG" at 275.27,-162.4 h2.54
  text ".NameEng" at 288.478,-162.4 h2.54
  text ".DateEng" at 328.102,-162.4 h2.54
  text "INCHES" at 256.474,-163.642 h2.03
  text "DIMENSIONS ARE IN" at 220.406,-163.67 h2.03
  text "D" at -335.008,-167.783 h5.08
  text "D" at 503.279,-167.783 h5.08
  text "MECH" at 275.27,-167.988 h2.54
  text "*" at 288.478,-168.496 h2.54
  text "*" at 328.102,-168.496 h2.54
  text "TITLE:" at 367.08,-170.528 h2.54
  text "TOLERANCES:" at 220.406,-171.544 h2.54
  text "SEE NOTES" at 159.065,-173.548 h2.54
  text "MFG" at 275.27,-174.592 h2.54
  text "*" at 288.478,-174.592 h2.54
  text "*" at 328.102,-175.1 h2.54
  text ".X +/- 0.1" at 221.422,-176.111 h2.54
  text ".XX +/- 0.01" at 221.422,-179.159 h2.54
  text ".TitlePCB" at 373.568,-179.39 h5.59
  text ".XXX +/- 0.005" at 221.422,-182.207 h2.54
  text ".Title0" at 413.7,-189.55 h5.59
  text "THIRD ANGLE PROJECTION" at 158.684,-193.766 h2.54
  text "ALL SHEETS ARE THE" at 224.978,-197.864 h2.54
  text ".Title1" at 387.03,-198.44 h5.59
  text "SAME REVISION STATUS" at 222.629,-202.436 h2.54
  text "SIZE" at 367.218,-205.58 h2.54
  text "DRAWING NUMBER" at 376.87,-205.58 h2.54
  text "REV" at 483.942,-207.131 h3.05
  text "D" at 367.26,-213.421 h5.08
  text ".DocNumberPCB" at 376.87,-213.68 h6.6
  text ".Rev" at 483.55,-213.68 h5.08
  text "1" at 468.31,-218.76 h2.54
  text "1" at 483.55,-218.76 h2.54
  text "1:1" at 380.68,-219.014 h2.54
  text "SCALE" at 366.654,-219.189 h2.54
  text "SHEET   OF" at 452.561,-219.404 h2.54
  text "8" at 460.436,-229.936 h5.08
  text "1" at -293.055,-230.19 h5.08
  text "2" at -185.493,-231.184 h5.08
  text "4" at 30.58,-231.184 h5.08
  text "3" at -77.499,-231.343 h5.08
  text "5" at 138.579,-231.343 h5.08
  text "6" at 246.526,-231.343 h5.08
  text "7" at 354.5,-231.343 h5.08
PCB_SHEET2:
  lines w0.198: -316.412,301.438 -156.697,301.438 ; -316.412,306.518 -156.697,306.518 ; -283.316,301.565 -283.311,312.103 ; -250.677,301.057 -250.677,312.106 ; -169.397,295.723 -169.397,312.106 ; -341.95,-233.797 -341.95,324.806 ; -341.95,-233.797 521.483,-233.797 ; -341.95,-233.797 521.483,-233.797 ; -341.95,-233.797 -341.95,324.806 ; -341.95,324.806 521.483,324.806 ; -341.95,324.806 521.483,324.806 ; 521.483,-233.797 521.483,324.806 ; 521.483,-233.797 521.483,324.806
  lines w0.599: -335.782,-87.947 -316.732,-87.947 ; -335.782,185.102 -316.732,185.102 ; -316.732,312.101 -316.732,-221.297 ; -316.732,-202.247 -186.684,-202.247 ; -301.721,-214.947 -301.721,-202.247 ; -272.282,-221.297 -272.282,-214.947 ; -234.182,-230.822 -234.182,-221.297 ; -186.685,-221.167 -186.685,-202.628 ; -156.819,295.088 -156.819,312.103 ; -126.233,-230.822 -126.233,-221.297 ; -126.233,312.101 -126.233,321.626 ; -18.283,-230.822 -18.283,-221.297 ; -18.283,312.101 -18.283,321.626 ; 197.617,-230.822 197.617,-221.297 ; 197.617,312.101 197.617,321.626 ; 305.567,-230.822 305.567,-221.297 ; 413.516,-230.822 413.516,-221.297 ; 413.516,312.101 413.516,321.626 ; 496.066,185.102 515.116,185.102 ; 496.066,312.103 -316.745,312.103 ; 496.701,-87.947 515.751,-87.947 ; -316.745,312.103 -316.745,291.626 -316.745,312.103 ; -316.732,-221.297 496.066,-221.297 ; -316.732,-221.297 496.066,-221.297 ; -316.732,-221.297 496.066,-221.297 ; -316.732,-221.297 496.066,-221.297 ; -316.732,-214.947 -186.684,-214.947 ; -316.732,-214.947 -186.684,-214.947 ; -316.732,-214.947 -186.684,-214.947 ; -316.732,-214.947 -186.684,-214.947 ; -244.342,312.101 -244.342,321.753 ; -244.342,312.101 -244.342,321.753 ; -244.342,312.101 -244.342,321.753 ; -244.342,312.101 -244.342,321.753 ; -244.342,312.101 -244.342,321.753 ; -244.342,312.101 -244.342,321.753 ; -244.342,312.101 -244.342,321.753 ; -244.342,312.101 -244.342,321.753 ; -244.342,321.753 -156.799,321.753 ; -244.342,321.753 -161.792,321.753 -244.342,321.753 ; -244.342,321.753 -156.799,321.753 ; -231.642,312.101 -231.642,321.753 ; -231.642,312.101 -231.642,321.753 ; -231.642,312.101 -231.642,321.753 ; -231.642,312.101 -231.642,321.753 ; -156.799,321.753 -156.799,312.101 -156.799,321.753 ; 305.567,312.101 305.567,321.626 ; 305.567,312.101 305.567,321.626 ; 305.567,312.101 305.567,321.626 ; 305.567,312.101 305.567,321.626 ; 496.066,-221.297 496.066,304.278 496.066,-221.297 ; 496.066,-221.297 496.066,312.101 ; 496.066,-221.297 496.066,312.101 ; 496.066,-221.297 496.066,312.101 ; -326.892,44.64 -326.892,46.164 -321.812,46.164 -321.812,47.942 -316.732,45.402 -321.812,42.862 -321.812,44.64 -326.892,44.64 ; 87.127,-226.377 89.667,-221.297 92.207,-226.377 90.429,-226.377 90.429,-231.457 88.905,-231.457 88.905,-226.377 87.127,-226.377 ; 87.127,317.181 89.667,312.101 92.207,317.181 90.429,317.181 90.429,322.26 88.905,322.26 88.905,317.181 87.127,317.181 ; 496.066,45.402 501.146,42.862 501.146,44.64 506.226,44.64 506.226,46.164 501.146,46.164 501.146,47.942 496.066,45.402
  text "SH" at -232.47,318.663 h2.54
  text "DWG NO" at -157.318,318.248 h2.54
  text ".DocNumberPCB" at -173.969,315.408 h3.05
  text "8" at -275.405,314.92 h5.08
  text "4" at 148.953,314.92 h5.08
  text "2" at 365.026,314.92 h5.08
  text "6" at -66.993,314.76 h5.08
  text "5" at 40.954,314.76 h5.08
  text "3" at 257.032,314.76 h5.08
  text "3" at 257.032,314.76 h5.08
  text "1" at 472.754,314.76 h5.08
  text "1" at -237.469,314.392 h3.05
  text "REVISION HISTORY" at -183.621,308.013 h2.54
  text "APPROVED" at -293.857,301.946 h2.54
  text "DATE" at -263.377,301.946 h2.54
  text "DESCRIPTION" at -204.957,301.946 h2.54
  text "REV" at -159.237,301.946 h2.54
  text "SEE SHEET 1" at -171.937,296.866 h2.54
  text "A" at -323.464,251.255 h5.08
  text "A" at 514.823,251.255 h5.08
  text "B" at -323.414,111.395 h5.08
  text "B" at 514.873,111.395 h5.08
  text "C" at -323.998,-28.078 h5.08
  text "C" at 514.288,-28.078 h5.08
  text "Scale  5:2" at 331.673,-77.04 h12.7
  text "D" at -323.746,-167.777 h5.08
  text "D" at 514.541,-167.777 h5.08
  text "REV" at -304.409,-207.125 h3.05
  text ".DocNumberPCB" at -192.892,-212.404 h5.08
  text ".Rev" at -304.017,-213.674 h5.08
  text "2" at -304.017,-218.754 h2.54
  text "SHEET 2 OF" at -273.028,-219.398 h2.54
  text "8" at -280.903,-229.93 h5.08
  text "1" at 472.755,-230.184 h5.08
  text "4" at 148.953,-231.178 h5.08
  text "2" at 365.026,-231.178 h5.08
  text "7" at -174.967,-231.338 h5.08
  text "6" at -66.993,-231.338 h5.08
  text "5" at 40.954,-231.338 h5.08
  text "3" at 257.032,-231.338 h5.08
BOARD OUTLINE:
  the board outline again, w0.254

## Dimensions
5,0 to 5,7.5 on ASSY_TOP
0,80 to 0,0 on ASSY_TOP
5,0 to 95,0 on ASSY_TOP
0,0 to 100,0 on ASSY_TOP

## Panel: embedded boards
"PowerSupply-Motherboard.PcbDoc" at 152,-64, 1 rows x 1 columns, spacing 63.5 x 38.1, rotation 0

## Text inside footprints (layer, text, board x,y; h text height)
J1: Mechanical 13 "PCB EDGE" at 4.575,79.922 h0.41 r180
Y1: Top Overlay "o" at 51.069,63.483 h0.25 r180